# KiCad board ergodonk_pcb.kicad_pcb (continued)
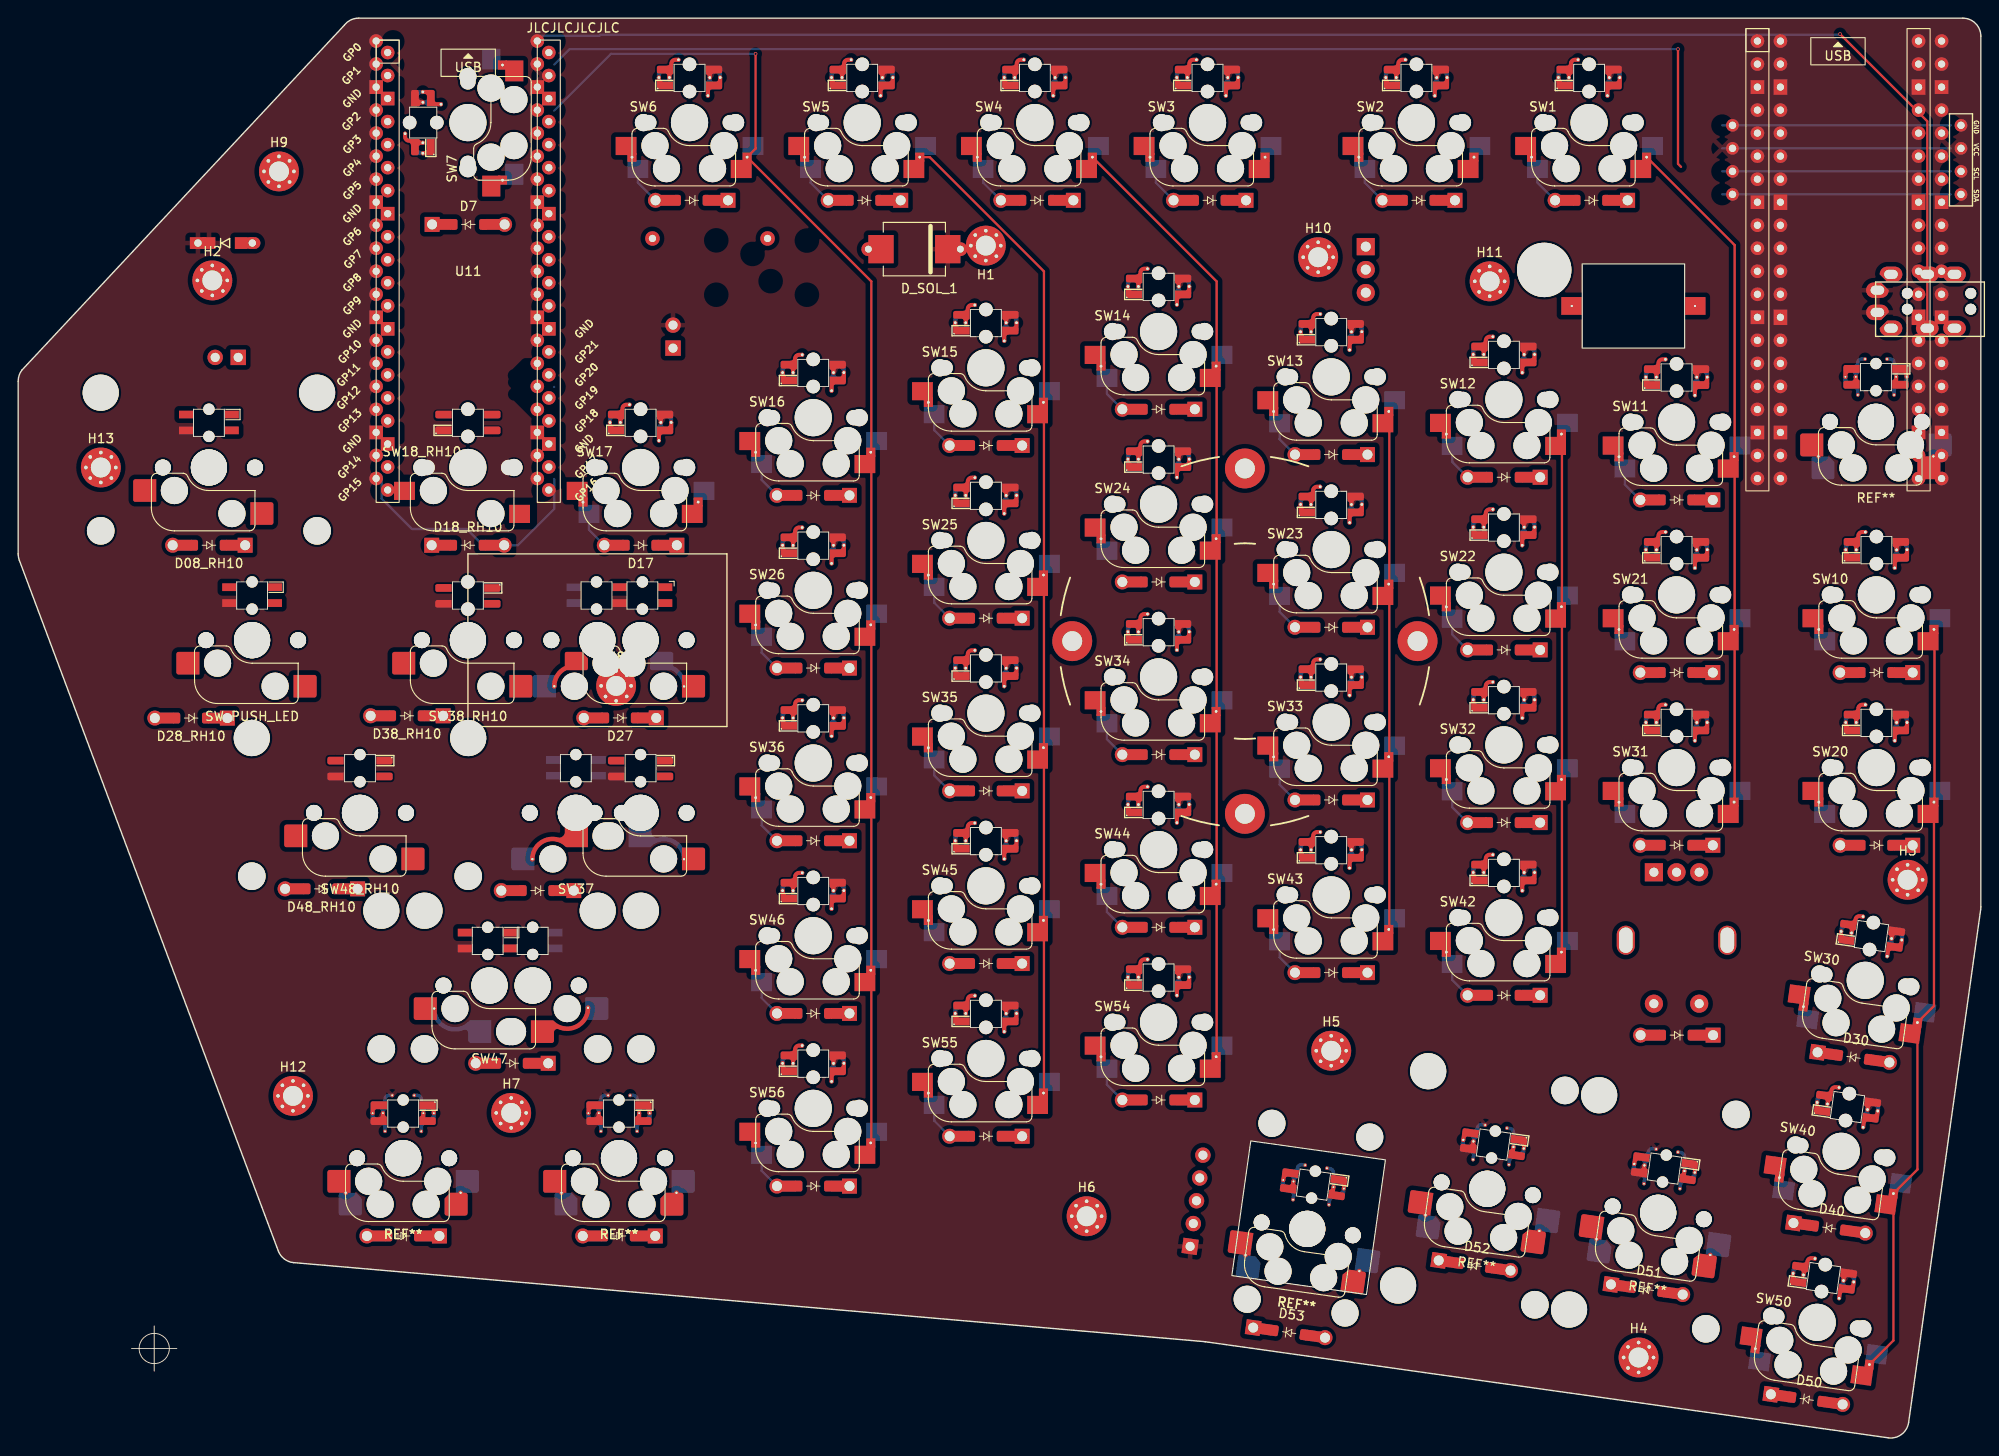
[diagram p0: board, top side]
## Footprints (pads in the part's own frame, mm; a bottom-side part is the same pattern mirrored in y, then rotated)
AST1109MLTRQ
  round 0.4 hole 0.25: 1(-6.795,0) 2(6.795,0)
  rect 2.311x1.956 smd: 1(-6.795,0) 2(6.795,0)
  rect 2.311x1.956 smd far side: 1(-6.795,0) 2(6.795,0)
Cherry_MX_DS_Hotswap_miniE_1U_sofle3b
  round 1.9 hole 1.9 unplated: (-5.08,0) (5.08,0)
  round 1.7 hole 1.7 unplated: (-4.5,0) (4.5,0)
  round 3 hole 3 unplated: (-3.81,2.54) (-2.54,5.08) (2.54,5.08) (3.81,2.54)
  rrect 1.82x0.85 smd: (-2.69,-5.845) (-2.69,-4.095)
  rrect 1.82x0.84 smd: (-2.69,-4.095) (2.69,-5.84)
  rrect 1.83x0.85 smd: (-2.685,-5.855) (2.685,-4.095)
  round 4.1 hole 4.1 unplated: (0,0)
  round 1.5 hole 1.5 unplated: (0,-3.43) (0,-6.43)
  rect 1.38x0.84 smd: (2.47,-5.85) (2.47,-4.09)
  rrect 1.49x0.84 smd: (2.855,-5.85) (2.855,-4.09)
  custom 1.8x1.524 smd far side: 1(-2.7,-4.095)
  custom 1.803x1.525 smd: 1(-2.7,-5.845)
  round 0.45 hole 0.3: 1(-2.234,-4.969) 2(-3.38,-4.97) 2(-2.025,-2.97) 3(3.38,-4.97) 4(1.22,-6.93) 4(2.225,-4.97)
  custom 1.805x2.45 smd: 2(-2.7,-4.095)
  custom 1.8x1.525 smd far side: 2(-2.693,-5.845)
  custom 1.805x1.525 smd: 3(2.7,-4.1)
  custom 1.81x1.362 smd far side: 3(2.705,-5.845)
  custom 1.81x1.525 smd far side: 4(2.7,-4.095)
  custom 2.605x2.41 smd: 4(2.7,-5.845)
  rect 2.3x2 smd far side: 5(5.7,5.12) 6(-7,2.58)
  rect 1x1 hole 0.3: 5(6.35,3.82) 6(-6.35,3.81)
  rect 2.3x2 smd: 5(7,2.58) 6(-5.7,5.12)
Cherry_MX_DS_Hotswap_miniE_1U_sofle3b_oneside
  round 1.9 hole 1.9 unplated: (-5.08,0) (5.08,0)
  round 1.7 hole 1.7 unplated: (-4.5,0) (4.5,0)
  rrect 1.82x0.85 smd: (-2.69,-5.845)
  rrect 1.82x0.84 smd: (-2.69,-4.095) (2.69,-5.84)
  round 3 hole 3 unplated: (-2.54,5.08) (3.81,2.54)
  round 4.1 hole 4.1 unplated: (0,0)
  round 1.5 hole 1.5 unplated: (0,-3.43) (0,-6.43)
  rect 1.38x0.84 smd: (2.47,-4.09)
  rrect 1.49x0.84 smd: (2.855,-4.09)
  custom 1.8x0.85 smd: 1(-2.7,-5.845) 2(-2.7,-4.095) 3(2.7,-4.1) 4(2.7,-5.845)
  rect 2.3x2 smd: 5(7,2.58) 6(-5.7,5.12)
D3_TH_SMD_v2
  rect 1.778x1.3 hole 0.813: 1(-3,0)
  rect 1.4x1.3 smd: 1(-1.775,0) 2(1.775,0)
  oval 1.778x1.3 hole 0.813: 2(3,0)
D_SOD-123_DO-35_Hybrid_DoubleSided
  rect 1.65x1.65 hole 1.1: 1(-4,0)
  rect 1.6x1.2 smd far side: 1(-2.75,0) 2(2.7,0)
  rect 1.6x1.2 smd: 1(-2.7,0) 2(2.7,0)
  rrect 0.9x1.2 smd: 1(-1.65,0) 2(1.65,0)
  rrect 0.9x1.2 smd far side: 1(-1.65,0) 2(1.65,0)
  round 1.65 hole 1.1: 2(4,0)
MJ-4PP-9_CANTOR_KITCHEN_SINK
  round 1.2 hole 1.2 unplated: (-1.75,-1.5) (-1.75,-8.5) (0,-1.5) (0,-8.5)
  rrect 1.7x2.5 hole 1x1.5: 1(-2.1,-11.8) 1(0.35,-11.8) 2(-3.85,-10.3) 2(2.1,-10.3)
  oval 1.7x2.5 hole 1x1.5: 3(-3.85,-6.3) 3(2.1,-6.3) 4(-3.85,-3.3) 4(2.1,-3.3)
MountingHole_2.2mm_M2_Pad_Via
  round 0.7 hole 0.4: 1(-1.65,0) 1(-1.167,1.167) 1(-1.167,-1.167) 1(0,1.65) 1(0,-1.65) 1(1.167,1.167) 1(1.167,-1.167) 1(1.65,0)
  round 4.4 hole 2.2: 1(0,0)
MUR340S_IN4001_TH_HYBRID
  rect 2.795x3.12 smd: A(3.683,0) C(-3.683,0)
  round 1.524 hole 0.762: A(5.08,0) C(-5.08,0)
OLED SSD1306 128x64 UNVERIFIED
  round 1.397 hole 0.813: 1(3.81,-12.605) 1(3.81,12.605) 2(1.27,-12.605) 2(1.27,12.605) 3(-1.27,-12.605) 3(-1.27,12.605) 4(-3.81,-12.605) 4(-3.81,12.605)
pimoroni_trackball
  round 3 hole 3 unplated: (7.05,-14.7) (7.05,4.9) (17.95,-14.7) (17.95,4.9)
  rect 1.7x1.7 hole 1: 1(0,0)
  oval 1.7x1.7 hole 1: 2(0,-2.54) 3(0,-5.08) 4(0,-7.62) 5(0,-10.16)
PinHeader_1x02_P2.54mm_Vertical
  rect 1.7x1.7 hole 1: 1(0,0)
  oval 1.7x1.7 hole 1: 2(0,-2.54)
R_Axial_DIN0309_L9.0mm_D3.2mm_P12.70mm_Horizontal
  round 1.6 hole 0.8: 1(0,0)
  oval 1.6x1.6 hole 0.8: 2(12.7,0)
RotaryEncoder_EC11_ergodonk_variant
  oval 3.2x2 hole 2.8x1.5 unplated: (0,-5.6) (0,5.6)
  rect 2x2 hole 1: A(-7.5,2.5)
  round 2 hole 1: B(-7.5,-2.5) C(-7.5,0) S1(7,-2.5) S2(7,2.5)
RPi_Pico_SMD_TH - Junco -DS Sofle v3b v4
  round 1.5 hole 0.8: 1(-10.16,24.13) 1(10.16,24.13) 2(-10.16,21.59) 2(10.16,21.59) 4(-10.16,16.51) 4(10.16,16.51) 5(-10.16,13.97) 5(10.16,13.97) 6(-10.16,11.43) 6(10.16,11.43) 7(-10.16,8.89) 7(10.16,8.89) 9(-10.16,3.81) 9(10.16,3.81) 10(-10.16,1.27) 10(10.16,1.27) 11(-10.16,-1.27) 11(10.16,-1.27) 12(-10.16,-3.81) 12(10.16,-3.81) 14(-10.16,-8.89) 14(10.16,-8.89) 15(-10.16,-11.43) 15(10.16,-11.43) 16(-10.16,-13.97) 16(10.16,-13.97) 17(-10.16,-16.51) 17(10.16,-16.51) 19(-10.16,-21.59) 19(10.16,-21.59) 20(-10.16,-24.13) 20(10.16,-24.13) 21(-7.62,-24.13) 21(7.62,-24.13) 22(-7.62,-21.59) 22(7.62,-21.59) 24(-7.62,-16.51) 24(7.62,-16.51) 25(-7.62,-13.97) 25(7.62,-13.97) 26(-7.62,-11.43) 26(7.62,-11.43) 27(-7.62,-8.89) 27(7.62,-8.89) 29(-7.62,-3.81) 29(7.62,-3.81) 30(-7.62,-1.27) 30(7.62,-1.27) 31(-7.62,1.27) 31(7.62,1.27) 32(-7.62,3.81) 32(7.62,3.81) 34(-7.62,8.89) 34(7.62,8.89) 35(-7.62,11.43) 35(7.62,11.43) 36(-7.62,13.97) 36(7.62,13.97) 37(-7.62,16.51) 37(7.62,16.51) 39(-7.62,21.59) 39(7.62,21.59) 40(-7.62,24.13) 40(7.62,24.13)
  rect 1.5x1.5 hole 0.8: 3(-10.16,19.05) 3(10.16,19.05) 8(-10.16,6.35) 8(10.16,6.35) 13(-10.16,-6.35) 13(10.16,-6.35) 18(-10.16,-19.05) 18(10.16,-19.05) 23(-7.62,-19.05) 23(7.62,-19.05)
  rect 1.5x1.7 hole 0.8: 28(-7.62,-6.35) 28(7.62,-6.35) 33(-7.62,6.35) 33(7.62,6.35) 38(-7.62,19.05) 38(7.62,19.05)
RPi_Pico_SMD_TH_DS_Ergodonk_v1
  round 1.5 hole 0.8: 1(-8.255,23.495) 1(8.255,24.765) 2(-8.255,20.955) 2(8.255,22.225) 4(-8.255,15.875) 4(8.255,17.145) 5(-8.255,13.335) 5(8.255,14.605) 6(-8.255,10.795) 6(8.255,12.065) 7(-8.255,8.255) 7(8.255,9.525) 9(-8.255,3.175) 9(8.255,4.445) 10(-8.255,0.635) 10(8.255,1.905) 11(-8.255,-1.905) 11(8.255,-0.635) 12(-8.255,-4.445) 12(8.255,-3.175) 14(-8.255,-9.525) 14(8.255,-8.255) 15(-8.255,-12.065) 15(8.255,-10.795) 16(-8.255,-14.605) 16(8.255,-13.335) 17(-8.255,-17.145) 17(8.255,-15.875) 19(-8.255,-22.225) 19(8.255,-20.955) 20(-8.255,-24.765) 20(8.255,-23.495) 21(-9.525,-23.495) 21(9.525,-24.765) 22(-9.525,-20.955) 22(9.525,-22.225) 24(-9.525,-15.875) 24(9.525,-17.145) 25(-9.525,-13.335) 25(9.525,-14.605) 26(-9.525,-10.795) 26(9.525,-12.065) 27(-9.525,-8.255) 27(9.525,-9.525) 29(-9.525,-3.175) 29(9.525,-4.445) 30(-9.525,-0.635) 30(9.525,-1.905) 31(-9.525,1.905) 31(9.525,0.635) 32(-9.525,4.445) 32(9.525,3.175) 34(-9.525,9.525) 34(9.525,8.255) 35(-9.525,12.065) 35(9.525,10.795) 36(-9.525,14.605) 36(9.525,13.335) 37(-9.525,17.145) 37(9.525,15.875) 39(-9.525,22.225) 39(9.525,20.955) 40(-9.525,24.765) 40(9.525,23.495)
  rect 1.5x1.5 hole 0.8: 3(-8.255,18.415) 3(8.255,19.685) 8(-8.255,5.715) 8(8.255,6.985) 13(-8.255,-6.985) 13(8.255,-5.715) 18(-8.255,-19.685) 18(8.255,-18.415) 23(-9.525,-18.415) 23(9.525,-19.685) 28(-9.525,-5.715) 28(9.525,-6.985) 33(-9.525,6.985) 33(9.525,5.715) 38(-9.525,19.685) 38(9.525,18.415)
Tenting_Puck.kicad_mod_nocenter
  round 4.4 hole 2.2: 1(-19.05,0) 1(0,19.05) 1(0,-19.05) 1(19.05,0)
Tip 120 with heatsink
  round 6 hole 6 unplated: (0.03,-8.453)
  rect 1.905x2 hole 1.1: 1(-2.54,11.238)
  oval 1.905x2 hole 1.1: 2(0,11.238) 3(2.54,11.238)
uxcell a14092600ux0438 solenoid
  round 0.001 hole 2.2 unplated: (-5,-3) (-5,3) (-1,-1.5) (1,1.5) (5,-2.975) (5,3)
V2_CherryMX_DoubleSided_Hotswap_miniE
  round 1.75 hole 1.75 unplated: (-5.08,0) (-5.08,0) (5.08,0) (5.08,0)
  round 3 hole 3 unplated: (-3.81,-2.54) (-2.54,-5.08) (2.54,-5.08) (3.81,-2.54)
  rrect 1.82x0.85 smd: (-2.69,5.845) (-2.69,4.095)
  rrect 1.82x0.84 smd: (-2.69,4.095) (2.69,5.84)
  rrect 1.83x0.85 smd: (-2.685,5.855) (2.685,4.095)
  round 1.25 hole 1.25 unplated: (0,6.43) (0,3.43)
  round 3.988 hole 3.988 unplated: (0,0) (0,0)
  rect 1.38x0.84 smd: (2.47,5.85) (2.47,4.09)
  rrect 1.49x0.84 smd: (2.855,5.85) (2.855,4.09)
  custom 2.58x2.385 smd far side: 1(-2.7,5.845) 4(2.7,5.845)
  custom 1.8x1.524 smd: 1(-2.7,4.095)
  round 0.45 hole 0.2: 1(-2.234,4.969) 2(-3.368,4.97) 3(3.38,4.97) 4(2.225,4.97)
  round 0.4 hole 0.2: 1(-1.2,6.93) 2(-2,2.97) 3(2,2.97) 4(1.22,6.93)
  custom 1.805x2.425 smd far side: 2(-2.7,4.095) 3(2.7,4.1)
  custom 1.8x1.525 smd: 2(-2.693,5.845)
  custom 1.81x1.362 smd: 3(2.705,5.845)
  custom 1.81x1.525 smd: 4(2.7,4.095)
  rrect 2.543x2.52 smd: 5(5.838,-5.07)
  round 0.5 hole 0.25: 5(6.34,-3.81) 6(-6.34,-3.81)
  rrect 2.55x2.52 smd far side: 5(7.085,-2.55)
  rrect 2.55x2.52 smd: 6(-7.085,-2.55)
  rrect 2.553x2.52 smd far side: 6(-5.843,-5.07)
V2_CherryMX_DoubleSided_Hotswap_miniE_1.5u_LH_1u_RH
  round 1.75 hole 1.75 unplated: (-5.08,0) (-5.08,0) (-0.318,0) (-0.318,0) (5.08,0) (5.08,0) (9.842,0) (9.842,0)
  round 3 hole 3 unplated: (-2.54,-5.08) (0.953,-2.54) (3.81,-2.54) (7.303,-5.08)
  round 1.25 hole 1.25 unplated: (-0.1,6.43) (-0.1,3.43) (4.963,6.43) (4.963,3.43)
  round 3.988 hole 3.988 unplated: (0,0) (0,0) (4.763,0) (4.763,0)
  rect 1.6x0.85 smd far side: 1(-2.6,5.845) 2(-2.6,4.095) 3(2.4,4.095) 4(2.4,5.845)
  rect 1.6x0.85 smd: 1(2.462,4.095) 2(2.462,5.845) 3(7.463,5.845) 4(7.463,4.095)
  custom 4.001x4.061 smd far side: 5(7.085,-2.3)
  round 0.5 hole 0.25: 5(9.561,-5.101) 6(-4.761,-5.08)
  rrect 2.55x2.5 smd: 5(10.604,-5.08)
  rrect 2.55x2.5 smd far side: 6(-5.842,-5.08)
  custom 3.964x4.04 smd: 6(-2.322,-2.3)
V2_CherryMX_DoubleSided_Hotswap_miniE_1.5u_RH_ONLY
  round 1.75 hole 1.75 unplated: (-5.08,0) (-5.08,0) (5.08,0) (5.08,0)
  round 3 hole 3 unplated: (-3.81,-2.54) (2.54,-5.08)
  round 1.25 hole 1.25 unplated: (0,6.43) (0,3.43)
  round 3.988 hole 3.988 unplated: (0,0) (0,0)
  rect 1.6x0.85 smd: 1(-2.5,4.095) 2(-2.5,5.845) 3(2.5,5.845) 4(2.5,4.095)
  rrect 2.55x2.5 smd: 5(5.842,-5.08) 6(-7.085,-2.54)
V2_CherryMX_DoubleSided_Hotswap_miniE_1.25u
  round 1.75 hole 1.75 unplated: (-5.08,0) (-5.08,0) (5.08,0) (5.08,0)
  round 3 hole 3 unplated: (-3.81,-2.54) (-2.54,-5.08) (2.54,-5.08) (3.81,-2.54)
  rrect 1.82x0.85 smd: (-2.69,5.845) (-2.69,4.095)
  rrect 1.82x0.84 smd: (-2.69,4.095) (2.69,5.84)
  rrect 1.83x0.85 smd: (-2.685,5.855) (2.685,4.095)
  round 1.25 hole 1.25 unplated: (0,6.43) (0,3.43)
  round 3.988 hole 3.988 unplated: (0,0) (0,0)
  rect 1.38x0.84 smd: (2.47,5.85) (2.47,4.09)
  rrect 1.49x0.84 smd: (2.855,5.85) (2.855,4.09)
  custom 2.58x2.385 smd far side: 1(-2.7,5.845) 4(2.7,5.845)
  custom 1.8x1.524 smd: 1(-2.7,4.095)
  round 0.45 hole 0.2: 1(-2.234,4.969) 2(-3.368,4.97) 3(3.38,4.97) 4(2.225,4.97)
  round 0.4 hole 0.2: 1(-1.2,6.93) 2(-2,2.97) 3(2,2.97) 4(1.22,6.93)
  custom 1.805x2.425 smd far side: 2(-2.7,4.095) 3(2.7,4.1)
  custom 1.8x1.525 smd: 2(-2.693,5.845)
  custom 1.81x1.362 smd: 3(2.705,5.845)
  custom 1.81x1.525 smd: 4(2.7,4.095)
  rrect 2.543x2.52 smd: 5(5.838,-5.07)
  round 0.5 hole 0.25: 5(6.34,-3.81) 6(-6.34,-3.81)
  rrect 2.55x2.52 smd far side: 5(7.085,-2.55)
  rrect 2.55x2.52 smd: 6(-7.085,-2.55)
  rrect 2.553x2.52 smd far side: 6(-5.843,-5.07)
V2_CherryMX_DoubleSided_Hotswap_miniE_1.25u_Vertical
  round 1.75 hole 1.75 unplated: (-5.08,0) (-5.08,0) (5.08,0) (5.08,0)
  round 3 hole 3 unplated: (-3.81,-2.54) (-2.54,-5.08) (2.54,-5.08) (3.81,-2.54)
  rrect 1.82x0.85 smd: (-2.69,5.845) (-2.69,4.095)
  rrect 1.82x0.84 smd: (-2.69,4.095) (2.69,5.84)
  rrect 1.83x0.85 smd: (-2.685,5.855) (2.685,4.095)
  round 1.25 hole 1.25 unplated: (0,6.43) (0,3.43)
  round 3.988 hole 3.988 unplated: (0,0) (0,0)
  rect 1.38x0.84 smd: (2.47,5.85) (2.47,4.09)
  rrect 1.49x0.84 smd: (2.855,5.85) (2.855,4.09)
  custom 1.8x1.524 smd: 1(-2.7,4.095)
  custom 2.58x2.385 smd far side: 1(-2.7,5.845) 4(2.7,5.845)
  round 0.45 hole 0.2: 1(-2.234,4.969) 2(-3.368,4.97) 3(3.38,4.97) 4(2.225,4.97)
  round 0.4 hole 0.2: 1(-1.2,6.93) 2(-2,2.97) 3(2,2.97) 4(1.22,6.93)
  custom 1.805x2.425 smd far side: 2(-2.7,4.095) 3(2.7,4.1)
  custom 1.8x1.525 smd: 2(-2.693,5.845)
  custom 1.81x1.362 smd: 3(2.705,5.845)
  custom 1.81x1.525 smd: 4(2.7,4.095)
  rrect 2.543x2.52 smd: 5(5.838,-5.07)
  round 0.5 hole 0.25: 5(6.34,-3.81) 6(-6.34,-3.81)
  rrect 2.55x2.52 smd far side: 5(7.085,-2.55)
  rrect 2.55x2.52 smd: 6(-7.085,-2.55)
  rrect 2.553x2.52 smd far side: 6(-5.843,-5.07)
V2_CherryMX_DoubleSided_Hotswap_miniE_1.75u_LH_1u_RH
  round 1.75 hole 1.75 unplated: (-5.08,0) (-5.08,0) (2.064,0) (2.064,0) (5.08,0) (5.08,0) (12.224,0) (12.224,0)
  round 3 hole 3 unplated: (-2.54,-5.08) (3.334,-2.54) (3.81,-2.54) (9.684,-5.08)
  round 1.25 hole 1.25 unplated: (0,6.43) (0,3.43) (7.144,6.429) (7.144,3.43)
  round 3.988 hole 3.988 unplated: (0,0) (0,0) (7.144,0) (7.144,0)
  rrect 1.82x0.85 smd: (4.454,4.015)
  rrect 1.82x0.84 smd: (4.454,5.765) (9.834,4.02)
  rect 1.38x0.84 smd: (9.614,5.77)
  rrect 1.49x0.84 smd: (9.999,5.77)
  rect 1.6x0.85 smd far side: 1(-2.5,5.845) 2(-2.5,4.095) 3(2.5,4.095) 4(2.5,5.845)
  custom 1.8x0.85 smd: 1(4.444,4.015) 2(4.444,5.765) 3(9.844,5.76) 4(9.844,4.015)
  custom 6.373x4.074 smd far side: 5(7.085,-2.54)
  round 0.5 hole 0.25: 5(11.933,-5.114) 6(-4.796,-5.102)
  rrect 2.55x2.5 smd: 5(12.986,-5.08)
  rrect 2.55x2.5 smd far side: 6(-5.842,-5.08)
  custom 6.379x4.062 smd: 6(0.059,-2.54)
V2_CherryMX_DoubleSided_Hotswap_miniE_2.25u_LH_2.75u_RH
  round 3.988 hole 3.988 unplated: (-11.938,7.931) (-7.176,7.931) (0,-0.324) (0,-0.324) (4.763,-0.324) (4.763,-0.324) (11.938,7.931) (16.701,7.931)
  round 3.048 hole 3.048 unplated: (-11.938,-7.309) (-7.176,-7.309) (11.938,-7.309) (16.701,-7.309)
  round 1.75 hole 1.75 unplated: (-5.08,-0.324) (-5.08,-0.324) (-0.318,-0.324) (-0.318,-0.324) (5.08,-0.324) (5.08,-0.324) (9.842,-0.324) (9.842,-0.324)
  round 3 hole 3 unplated: (-3.81,-2.864) (2.223,-5.404) (2.54,-5.404) (8.572,-2.864)
  round 1.25 hole 1.25 unplated: (-0.2,6.105) (-0.19,3.106) (4.763,6.105) (4.763,3.106)
  rect 1.6x0.85 smd: 1(-2.7,3.77) 2(-2.7,5.52) 3(2.3,5.52) 4(2.3,3.77)
  rect 1.6x0.85 smd far side: 1(2.263,5.52) 2(2.263,3.77) 3(7.263,3.77) 4(7.263,5.52)
  custom 6.551x4.116 smd: 5(5.842,-5.404)
  round 0.5 hole 0.25: 5(10.87,-2.78) 6(-6.107,-2.864)
  rrect 2.55x2.5 smd far side: 5(11.848,-2.864)
  rrect 2.55x2.5 smd: 6(-7.085,-2.864)
  custom 6.552x4.04 smd far side: 6(-1.079,-5.404)
V2_CherryMX_DoubleSided_Hotswap_miniE_2.25u_RH_ONLY
  round 3.988 hole 3.988 unplated: (-11.938,8.255) (0,0) (0,0) (11.938,8.255)
  round 3.048 hole 3.048 unplated: (-11.938,-6.985) (11.938,-6.985)
  round 1.75 hole 1.75 unplated: (-5.08,0) (-5.08,0) (5.08,0) (5.08,0)
  round 3 hole 3 unplated: (-3.81,-2.54) (2.54,-5.08)
  rrect 1.82x0.85 smd: (-2.69,4.015)
  rrect 1.82x0.84 smd: (-2.69,5.765) (2.69,4.02)
  round 1.25 hole 1.25 unplated: (0,6.429) (0,3.43)
  rect 1.38x0.84 smd: (2.47,5.77)
  rrect 1.49x0.84 smd: (2.855,5.77)
  custom 1.8x0.85 smd: 1(-2.7,4.015) 2(-2.7,5.765) 3(2.7,5.76) 4(2.7,4.015)
  rrect 2.55x2.5 smd: 5(5.842,-5.08) 6(-7.085,-2.54)
V2_CherryMX_DoubleSided_Hotswap_miniE_2u_RH_ONLY
  round 3.988 hole 3.988 unplated: (-11.938,8.255) (0,0) (0,0) (11.938,8.255)
  round 3.048 hole 3.048 unplated: (-11.938,-6.985) (11.938,-6.985)
  round 1.75 hole 1.75 unplated: (-5.08,0) (-5.08,0) (5.08,0) (5.08,0)
  round 3 hole 3 unplated: (-3.81,-2.54) (2.54,-5.08)
  round 1.25 hole 1.25 unplated: (0,6.43) (0,3.43)
  rect 1.6x0.85 smd: 1(-2.5,4.095) 2(-2.5,5.845) 3(2.5,5.845) 4(2.5,4.095)
  rrect 2.55x2.5 smd: 5(5.842,-5.08) 6(-7.085,-2.54)
V2_CherryMX_DoubleSided_Hotswap_miniE_2u_Vertical
  round 3.988 hole 3.988 unplated: (-8.255,11.938) (-8.255,-11.938) (0,0) (0,0)
  round 1.75 hole 1.75 unplated: (-5.08,0) (-5.08,0) (5.08,0) (5.08,0)
  round 3 hole 3 unplated: (-3.81,-2.54) (-2.54,-5.08) (2.54,-5.08) (3.81,-2.54)
  rrect 1.82x0.85 smd: (-2.69,5.845) (-2.69,4.095)
  rrect 1.82x0.84 smd: (-2.69,4.095) (2.69,5.84)
  rrect 1.83x0.85 smd: (-2.685,5.855) (2.685,4.095)
  round 1.25 hole 1.25 unplated: (0,6.43) (0,3.43)
  rect 1.38x0.84 smd: (2.47,5.85) (2.47,4.09)
  rrect 1.49x0.84 smd: (2.855,5.85) (2.855,4.09)
  round 3.048 hole 3.048 unplated: (6.985,11.938) (6.985,-11.938)
  custom 1.8x1.524 smd: 1(-2.7,4.095)
  custom 2.58x2.385 smd far side: 1(-2.7,5.845) 4(2.7,5.845)
  round 0.45 hole 0.25: 1(-2.234,4.969) 2(-3.368,4.97) 3(3.38,4.97) 4(2.225,4.97)
  round 0.4 hole 0.2: 1(-1.2,6.93) 2(-2,2.97) 3(2,2.97) 4(1.22,6.93)
  custom 1.805x2.425 smd far side: 2(-2.7,4.095) 3(2.7,4.1)
  custom 1.8x1.525 smd: 2(-2.693,5.845)
  custom 1.81x1.362 smd: 3(2.705,5.845)
  custom 1.81x1.525 smd: 4(2.7,4.095)
  rrect 2.543x2.52 smd: 5(5.838,-5.07)
  round 0.5 hole 0.25: 5(6.34,-3.81) 6(-6.34,-3.81)
  rrect 2.55x2.52 smd far side: 5(7.085,-2.55)
  rrect 2.55x2.52 smd: 6(-7.085,-2.55)
  rrect 2.553x2.52 smd far side: 6(-5.843,-5.07)
V2_CherryMX_DS_Hotswap_miniE_1U_SEED_RH
  round 1.75 hole 1.75 unplated: (-5.08,0) (-5.08,0) (5.08,0) (5.08,0)
  round 3 hole 3 unplated: (-3.81,-2.54) (2.54,-5.08)
  rrect 1.82x0.85 smd: (-2.69,4.015)
  rrect 1.82x0.84 smd: (-2.69,5.765) (2.69,4.02)
  round 1.5 hole 1.5 unplated: (0,6.429) (0,3.43)
  round 3.988 hole 3.988 unplated: (0,0) (0,0)
  rect 1.38x0.84 smd: (2.47,5.77)
  rrect 1.49x0.84 smd: (2.855,5.77)
  custom 1.8x0.85 smd: 1(-2.7,4.015) 2(-2.7,5.765) 3(2.7,5.76) 4(2.7,4.015)
  rrect 2.55x2.5 smd: 5(5.842,-5.08) 6(-7.085,-2.54)

## Nets
GND: J10.5 J11.2 LS10.2 OL10.4 Q1.3 SW1.3 SW2#2.3 SW3.3 SW4.3 SW5.3 SW6.3 SW7.3 SW08_RH10.3 SW10.3 SW11.3 SW12.3 SW13.3 SW14.3 SW15.3 SW16.3 SW17.3 SW18_RH10.3 SW20.3 SW21.3 SW22.3 SW23.3 SW24.3 SW25.3 SW26.3 SW27.3 SW28_RH10.3 SW30.3 SW31.3 SW32.3 SW33.3 SW34.3 SW35.3 SW36.3 SW37.3 SW38_RH10.3 SW40.3 SW42.3 SW43.3 SW44.3 SW45.3 SW46.3 SW47.3 SW48_RH10.3 SW50.3 SW51.3 SW52.3 SW53.3 SW54.3 SW55.3 SW56.3 SW57.3 SW58.3 SWLH_ROT1.C U11.23 U11.28
VCC: D18.1 D_SOL_1.C J10.1 J11.1 J_SOL_1.2 OL10.3 SW1.1 SW2#2.1 SW3.1 SW4.1 SW5.1 SW6.1 SW7.1 SW08_RH10.1 SW10.1 SW11.1 SW12.1 SW13.1 SW14.1 SW15.1 SW16.1 SW17.1 SW18_RH10.1 SW20.1 SW21.1 SW22.1 SW23.1 SW24.1 SW25.1 SW26.1 SW27.1 SW28_RH10.1 SW30.1 SW31.1 SW32.1 SW33.1 SW34.1 SW35.1 SW36.1 SW37.1 SW38_RH10.1 SW40.1 SW42.1 SW43.1 SW44.1 SW45.1 SW46.1 SW47.1 SW48_RH10.1 SW50.1 SW51.1 SW52.1 SW53.1 SW54.1 SW55.1 SW56.1 SW57.1 SW58.1 U11.39
col0: SW10.6 SW20.6 SW30.6 SW40.6 SW50.6 U11.12
col2: SW2#2.6 SW12.6 SW22.6 SW32.6 SW42.6 SW52.6 U11.15
col3: SW3.6 SW13.6 SW23.6 SW33.6 SW43.6 SW53.6 U11.16
col4: SW4.6 SW14.6 SW24.6 SW34.6 SW44.6 SW54.6 U11.17
col5: SW5.6 SW15.6 SW25.6 SW35.6 SW45.6 SW55.6 U11.19
col6: SW6.6 SW16.6 SW26.6 SW36.6 SW46.6 SW56.6 U11.4
col7: SW7.6 SW17.6 SW27.6 SW37.6 SW47.6 SW57.6 U11.5
col8: SW08_RH10.6 SW18_RH10.6 SW28_RH10.6 SW38_RH10.6 SW48_RH10.6 SW58.6 U11.20
DATA: J11.3 U11.1
encA: SWLH_ROT1.A U11.25
encB: SWLH_ROT1.B U11.24
LED: SW11.4 U11.2
row0: D1.1 D2.1 D3.1 D4.1 D5.1 D6.1 D7.1 D08_RH10.1 U11.7
row1: D10.1 D11.1 D12.1 D13.1 D14.1 D15.1 D16.1 D17.1 D18_RH10.1 U11.21
row2: D20.1 D21.1 D22.1 D23.1 D24.1 D25.1 D26.1 D27.1 D28_RH10.1 U11.6
row3: D30.1 D31.1 D32.1 D33.1 D34.1 D35.1 D36.1 D37.1 D38_RH10.1 U11.9
row4: D40.1 D41.1 D42.1 D43.1 D44.1 D45.1 D46.1 D47.1 D48_RH10.1 U11.10
row5: D50.1 D51.1 D52.1 D53.1 D54.1 D55.1 D56.1 D57.1 D58.1 U11.11
SCL: J10.3 OL10.2 U11.32
SDA: J10.2 OL10.1 U11.31
SOLENOID_CONTROL: R2.2 U11.26
SPEAKER: LS10.1 U11.27
SW41A: SW1.6 SW11.6 SW21.6 SW31.6 SW51.6 SWLH_ROT1.S1 U11.14
SW41B: D41.2 SWLH_ROT1.S2
Net-(D1-A): D1.2 SW1.5
Net-(D2-A): D2.2 SW2#2.5
Net-(D3-A): D3.2 SW3.5
Net-(D4-A): D4.2 SW4.5
Net-(D5-A): D5.2 SW5.5
Net-(D6-A): D6.2 SW6.5
Net-(D7-A): D7.2 SW7.5
Net-(D08_RH10-A): D08_RH10.2 SW08_RH10.5
Net-(D10-A): D10.2 SW10.5
Net-(D11-A): D11.2 SW11.5
Net-(D12-A): D12.2 SW12.5
Net-(D13-A): D13.2 SW13.5
Net-(D14-A): D14.2 SW14.5
Net-(D15-A): D15.2 SW15.5
Net-(D16-A): D16.2 SW16.5
Net-(D17-A): D17.2 SW17.5
Net-(D18-A): D18.2 U11.40
Net-(D18_RH10-A): D18_RH10.2 SW18_RH10.5
Net-(D20-A): D20.2 SW20.5
Net-(D21-A): D21.2 SW21.5
Net-(D22-A): D22.2 SW22.5
Net-(D23-A): D23.2 SW23.5
Net-(D24-A): D24.2 SW24.5
Net-(D25-A): D25.2 SW25.5
Net-(D26-A): D26.2 SW26.5
Net-(D27-A): D27.2 SW27.5
Net-(D28_RH10-A): D28_RH10.2 SW28_RH10.5
Net-(D30-A): D30.2 SW30.5
Net-(D31-A): D31.2 SW31.5
Net-(D32-A): D32.2 SW32.5
Net-(D33-A): D33.2 SW33.5
Net-(D34-A): D34.2 SW34.5
Net-(D35-A): D35.2 SW35.5
Net-(D36-A): D36.2 SW36.5
Net-(D37-A): D37.2 SW37.5
Net-(D38_RH10-A): D38_RH10.2 SW38_RH10.5
Net-(D40-A): D40.2 SW40.5
Net-(D42-A): D42.2 SW42.5
Net-(D43-A): D43.2 SW43.5
Net-(D44-A): D44.2 SW44.5
Net-(D45-A): D45.2 SW45.5
Net-(D46-A): D46.2 SW46.5
Net-(D47-A): D47.2 SW47.5
Net-(D48_RH10-A): D48_RH10.2 SW48_RH10.5
Net-(D50-A): D50.2 SW50.5
Net-(D51-A): D51.2 SW51.5
Net-(D52-A): D52.2 SW52.5
Net-(D53-A): D53.2 SW53.5
Net-(D54-A): D54.2 SW54.5
Net-(D55-A): D55.2 SW55.5
Net-(D56-A): D56.2 SW56.5
Net-(D57-A): D57.2 SW57.5
Net-(D58-A): D58.2 SW58.5
Net-(J_SOL_1-Pin_1): D_SOL_1.A J_SOL_1.1 Q1.2
Net-(JP3-A): JP3.1 SW48_RH10.4 SW58.2
Net-(JP3-B): JP3.2 SW08_RH10.2 SW53.4
Net-(Q1-B): Q1.1 R2.1
Net-(SW1B-DOUT): SW1.2 SW2#2.4
Net-(SW2B-DOUT): SW2#2.2 SW3.4
Net-(SW3B-DOUT): SW3.2 SW4.4
Net-(SW4B-DOUT): SW4.2 SW5.4
Net-(SW5B-DOUT): SW5.2 SW6.4
Net-(SW6B-DOUT): SW6.2 SW7.4
Net-(SW08_RH10B-DIN): SW08_RH10.4 SW18_RH10.2
Net-(SW10B-DIN): SW10.4 SW20.2
Net-(SW10B-DOUT): SW1.4 SW10.2
Net-(SW11B-DOUT): SW11.2 SW12.4
Net-(SW12B-DOUT): SW12.2 SW13.4
Net-(SW13B-DOUT): SW13.2 SW14.4
Net-(SW14B-DOUT): SW14.2 SW15.4
Net-(SW15B-DOUT): SW15.2 SW16.4
Net-(SW16B-DOUT): SW16.2 SW17.4
Net-(SW17B-DOUT): SW17.2 SW27.4
Net-(SW18_RH10B-DIN): SW18_RH10.4 SW28_RH10.2
Net-(SW20B-DIN): SW20.4 SW30.2
Net-(SW21B-DIN): SW21.4 SW22.2
Net-(SW21B-DOUT): SW21.2 SW31.4
Net-(SW22B-DIN): SW22.4 SW23.2
Net-(SW23B-DIN): SW23.4 SW24.2
Net-(SW24B-DIN): SW24.4 SW25.2
Net-(SW25B-DIN): SW25.4 SW26.2
Net-(SW26B-DIN): SW26.4 SW27.2
Net-(SW28_RH10B-DIN): SW28_RH10.4 SW38_RH10.2
Net-(SW30B-DIN): SW30.4 SW40.2
Net-(SW31B-DOUT): SW31.2 SW32.4
Net-(SW32B-DOUT): SW32.2 SW33.4
Net-(SW33B-DOUT): SW33.2 SW34.4
Net-(SW34B-DOUT): SW34.2 SW35.4
Net-(SW35B-DOUT): SW35.2 SW36.4
Net-(SW36B-DOUT): SW36.2 SW37.4
Net-(SW37B-DOUT): SW37.2 SW47.4
Net-(SW38_RH10B-DIN): SW38_RH10.4 SW48_RH10.2
Net-(SW40B-DIN): SW40.4 SW50.2
Net-(SW42B-DIN): SW42.4 SW43.2
Net-(SW42B-DOUT): SW42.2 SW54.4
Net-(SW43B-DIN): SW43.4 SW44.2
Net-(SW44B-DIN): SW44.4 SW45.2
Net-(SW45B-DIN): SW45.4 SW46.2
Net-(SW46B-DIN): SW46.4 SW47.2
Net-(SW50B-DIN): SW50.4 SW51.2
Net-(SW51B-DIN): SW51.4 SW52.2
Net-(SW52B-DIN): SW52.4 SW53.2
Net-(SW54B-DOUT): SW54.2 SW55.4
Net-(SW55B-DOUT): SW55.2 SW56.4
Net-(SW56B-DOUT): SW56.2 SW57.4
Net-(SW57B-DOUT): SW57.2 SW58.4

Pads without a net: H1 1; H2 1; H3 1; H4 1; H5 1; H6 1; H7 1; H8 1; H9 1; H10 1; H11 1; H12 1; H13 1; J10 4; J11 4; REF** 1 2 3 4 5 6 7 8 9 10 11 12 13 14 15 16 17 18 19 20 21 22 23 24 25 26 27 28 29 30 31 32 33 34 35 36 37 38 39 40; REF**#2 1; SW2 1 2 3 4 5 6; SW7 2; U11 3 8 13 18 22 29 30 33 34 35 36 37 38

## Via types
v1: diameter 0.4, hole 0.25, Top to Bottom, 3 vias

## Routing (per net, layer and track width the routed paths; a pad name or vN(x,y) marks a point on that pad's centre or on a via; arc(x,y) is an arc through that point)
GND: length 25.2
  Bottom w0.25: 213.22,144.8 188.01,144.8
VCC: length 25.2
  Bottom w0.25: 188.01,142.26 213.22,142.26
col0: length 84.1
  Top w0.25: SW50.6 206.9,10.74 SW40.6 209.55,29.6 SW30.6 211.38,47.64 SW20.6 211.43,70.2 211.43,89.14 SW10.6
col2: length 57.3
  Top w0.25: SW12.6 170.33,110.69 170.33,91.75 SW22.6 170.33,91.64 170.33,72.7 SW32.6 170.33,72.59 170.33,53.65 SW42.6
col3: length 57.3
  Top w0.25: SW13.6 151.28,113.19 151.28,94.25 SW23.6 151.28,94.14 151.28,75.2 SW33.6 151.28,75.09 151.28,56.15 SW43.6
  Bottom w0.25: 59.14,115.93 59.15,115.95
col4: length 105.1
  Top w0.25: SW4.6 132.23,127.59 132.23,118.3 SW14.6 132.23,118.19 132.23,99.25 SW24.6 132.23,99.14 132.23,80.2 SW34.6 132.23,80.09 132.23,61.15 SW44.6 132.23,61.04 132.23,42.1 SW54.6
col5: length 109.8
  Top w0.25: SW55.6 113.18,38.1 113.18,57.04 SW45.6 113.18,57.15 113.18,76.09 SW35.6 113.18,76.2 113.18,95.14 SW25.6 113.18,95.25 113.18,114.19 SW15.6 113.18,114.3 113.18,128.68 100.57,141.29 SW5.6
col6: length 151.2
  Top w0.25: SW56.6 94.13,32.6 94.13,51.54 SW46.6 94.13,51.65 94.13,70.59 SW36.6 94.13,70.7 94.13,89.64 SW26.6 94.13,89.75 94.13,108.69 SW16.6 94.13,108.8 94.13,127.59 SW6.6 81.36,142.23 v1(81.36,152.68)
  Bottom w0.25: v1(81.36,152.68) 65.41,152.68 59.15,146.43
DATA: length 180.3
  Top w0.25: v1(201.01,154.87) 210.63,145.25 J11.3 J11.3
  Bottom w0.25: 57.25,154.68 64.15,154.68 64.27,154.8 200.94,154.8 v1(201.01,154.87)
row1: length 26
  Bottom w0.25: 40.1,105.84 40.1,103.61 43.44,100.27 49.48,100.27 51.27,98.48 ; 59.15,105.79 59.15,102.48 55.14,98.48 53.62,98.48
SCL: length 25.2
  Bottom w0.25: 188.01,139.72 213.22,139.72
SDA: length 25.2
  Bottom w0.25: 213.22,137.18 188.01,137.18
SW41A: length 75.3
  Top w0.25: SW31.6 189.38,70.2 189.38,89.14 SW21.6 189.38,89.25 189.38,108.19 SW11.6 189.38,108.3 189.38,131.59 SW1.6
Net-(D1-A): length 4.3
  Bottom w0.25: D1.2 167.62,138.48 SW1.5
Net-(D2-A): length 4.3
  Bottom w0.25: D2.2 148.57,138.48 SW2#2.5
Net-(D3-A): length 4.3
  Bottom w0.25: D3.2 125.52,138.48 SW3.5
Net-(D4-A): length 4.3
  Bottom w0.25: SW4.5 106.48,138.48 D4.2
Net-(D5-A): length 4.3
  Bottom w0.25: SW5.5 87.42,138.48 D5.2
Net-(D6-A): length 4.3
  Bottom w0.25: SW6.5 68.38,138.48 D6.2
Net-(D11-A): length 4.2
  Bottom w0.25: D11.2 177.27,105.18 SW11.5
Net-(D12-A): length 4.2
  Bottom w0.25: D12.2 158.23,107.68 SW12.5
Net-(D13-A): length 4.2
  Bottom w0.25: D13.2 139.18,110.18 SW13.5
Net-(D14-A): length 4.2
  Bottom w0.25: D14.2 120.12,115.18 SW14.5
Net-(D15-A): length 4.2
  Bottom w0.25: D15.2 101.08,111.18 SW15.5
Net-(D16-A): length 4.2
  Bottom w0.25: SW16.5 82.02,105.68 D16.2
Net-(D17-A): length 4.2
  Bottom w0.25: SW17.5 62.97,100.18 D17.2
Net-(D18-A): length 137.8
  Top w0.25: v1(183.13,153.21) 183.13,140.55 183.46,140.22
  Bottom w0.25: 59.15,151.51 60.85,153.21 v1(183.13,153.21)
Net-(D22-A): length 4.2
  Bottom w0.25: SW22.5 158.23,88.63 D22.2
Net-(D23-A): length 4.2
  Bottom w0.25: SW23.5 139.18,91.13 D23.2
Net-(D25-A): length 4.2
  Bottom w0.25: SW25.5 101.08,92.13 D25.2
Net-(D26-A): length 4.2
  Bottom w0.25: SW26.5 82.02,86.63 D26.2
Net-(D32-A): length 4.2
  Bottom w0.25: SW32.5 158.23,69.58 D32.2
Net-(D33-A): length 4.2
  Bottom w0.25: SW33.5 139.18,72.08 D33.2
Net-(D34-A): length 4.2
  Bottom w0.25: SW34.5 120.12,77.08 D34.2
Net-(D35-A): length 4.2
  Bottom w0.25: D35.2 101.08,73.08 SW35.5
Net-(D36-A): length 4.2
  Bottom w0.25: SW36.5 82.02,67.58 D36.2
Net-(D42-A): length 4.2
  Bottom w0.25: D42.2 158.23,50.53 SW42.5
Net-(D43-A): length 4.2
  Bottom w0.25: D43.2 139.18,53.03 SW43.5
Net-(D44-A): length 4.2
  Bottom w0.25: D44.2 120.12,58.03 SW44.5
Net-(D46-A): length 4.2
  Bottom w0.25: D46.2 82.02,48.53 SW46.5
Net-(D54-A): length 4.2
  Bottom w0.25: SW54.5 120.12,38.98 D54.2
Net-(D55-A): length 4.2
  Bottom w0.25: SW55.5 101.08,34.98 D55.2
Net-(D56-A): length 4.2
  Bottom w0.25: SW56.5 82.02,29.48 D56.2

## Copper pours and planes (outline as drawn; the poured copper is in the pictures)
GND on Bottom: -30.48,16.14 225.46,-5.88 231.25,162.43 4.74,160.66 -29.8,16.46
VCC on Top: -0.88,158.49 222.52,158.56 221.06,-5.27 -7.48,16.13 -0.2,158.17

## Text on the board
F.Silkscreen: JLCJLCJLCJLC
